# KiCad board q2v2.kicad_pcb (continued)
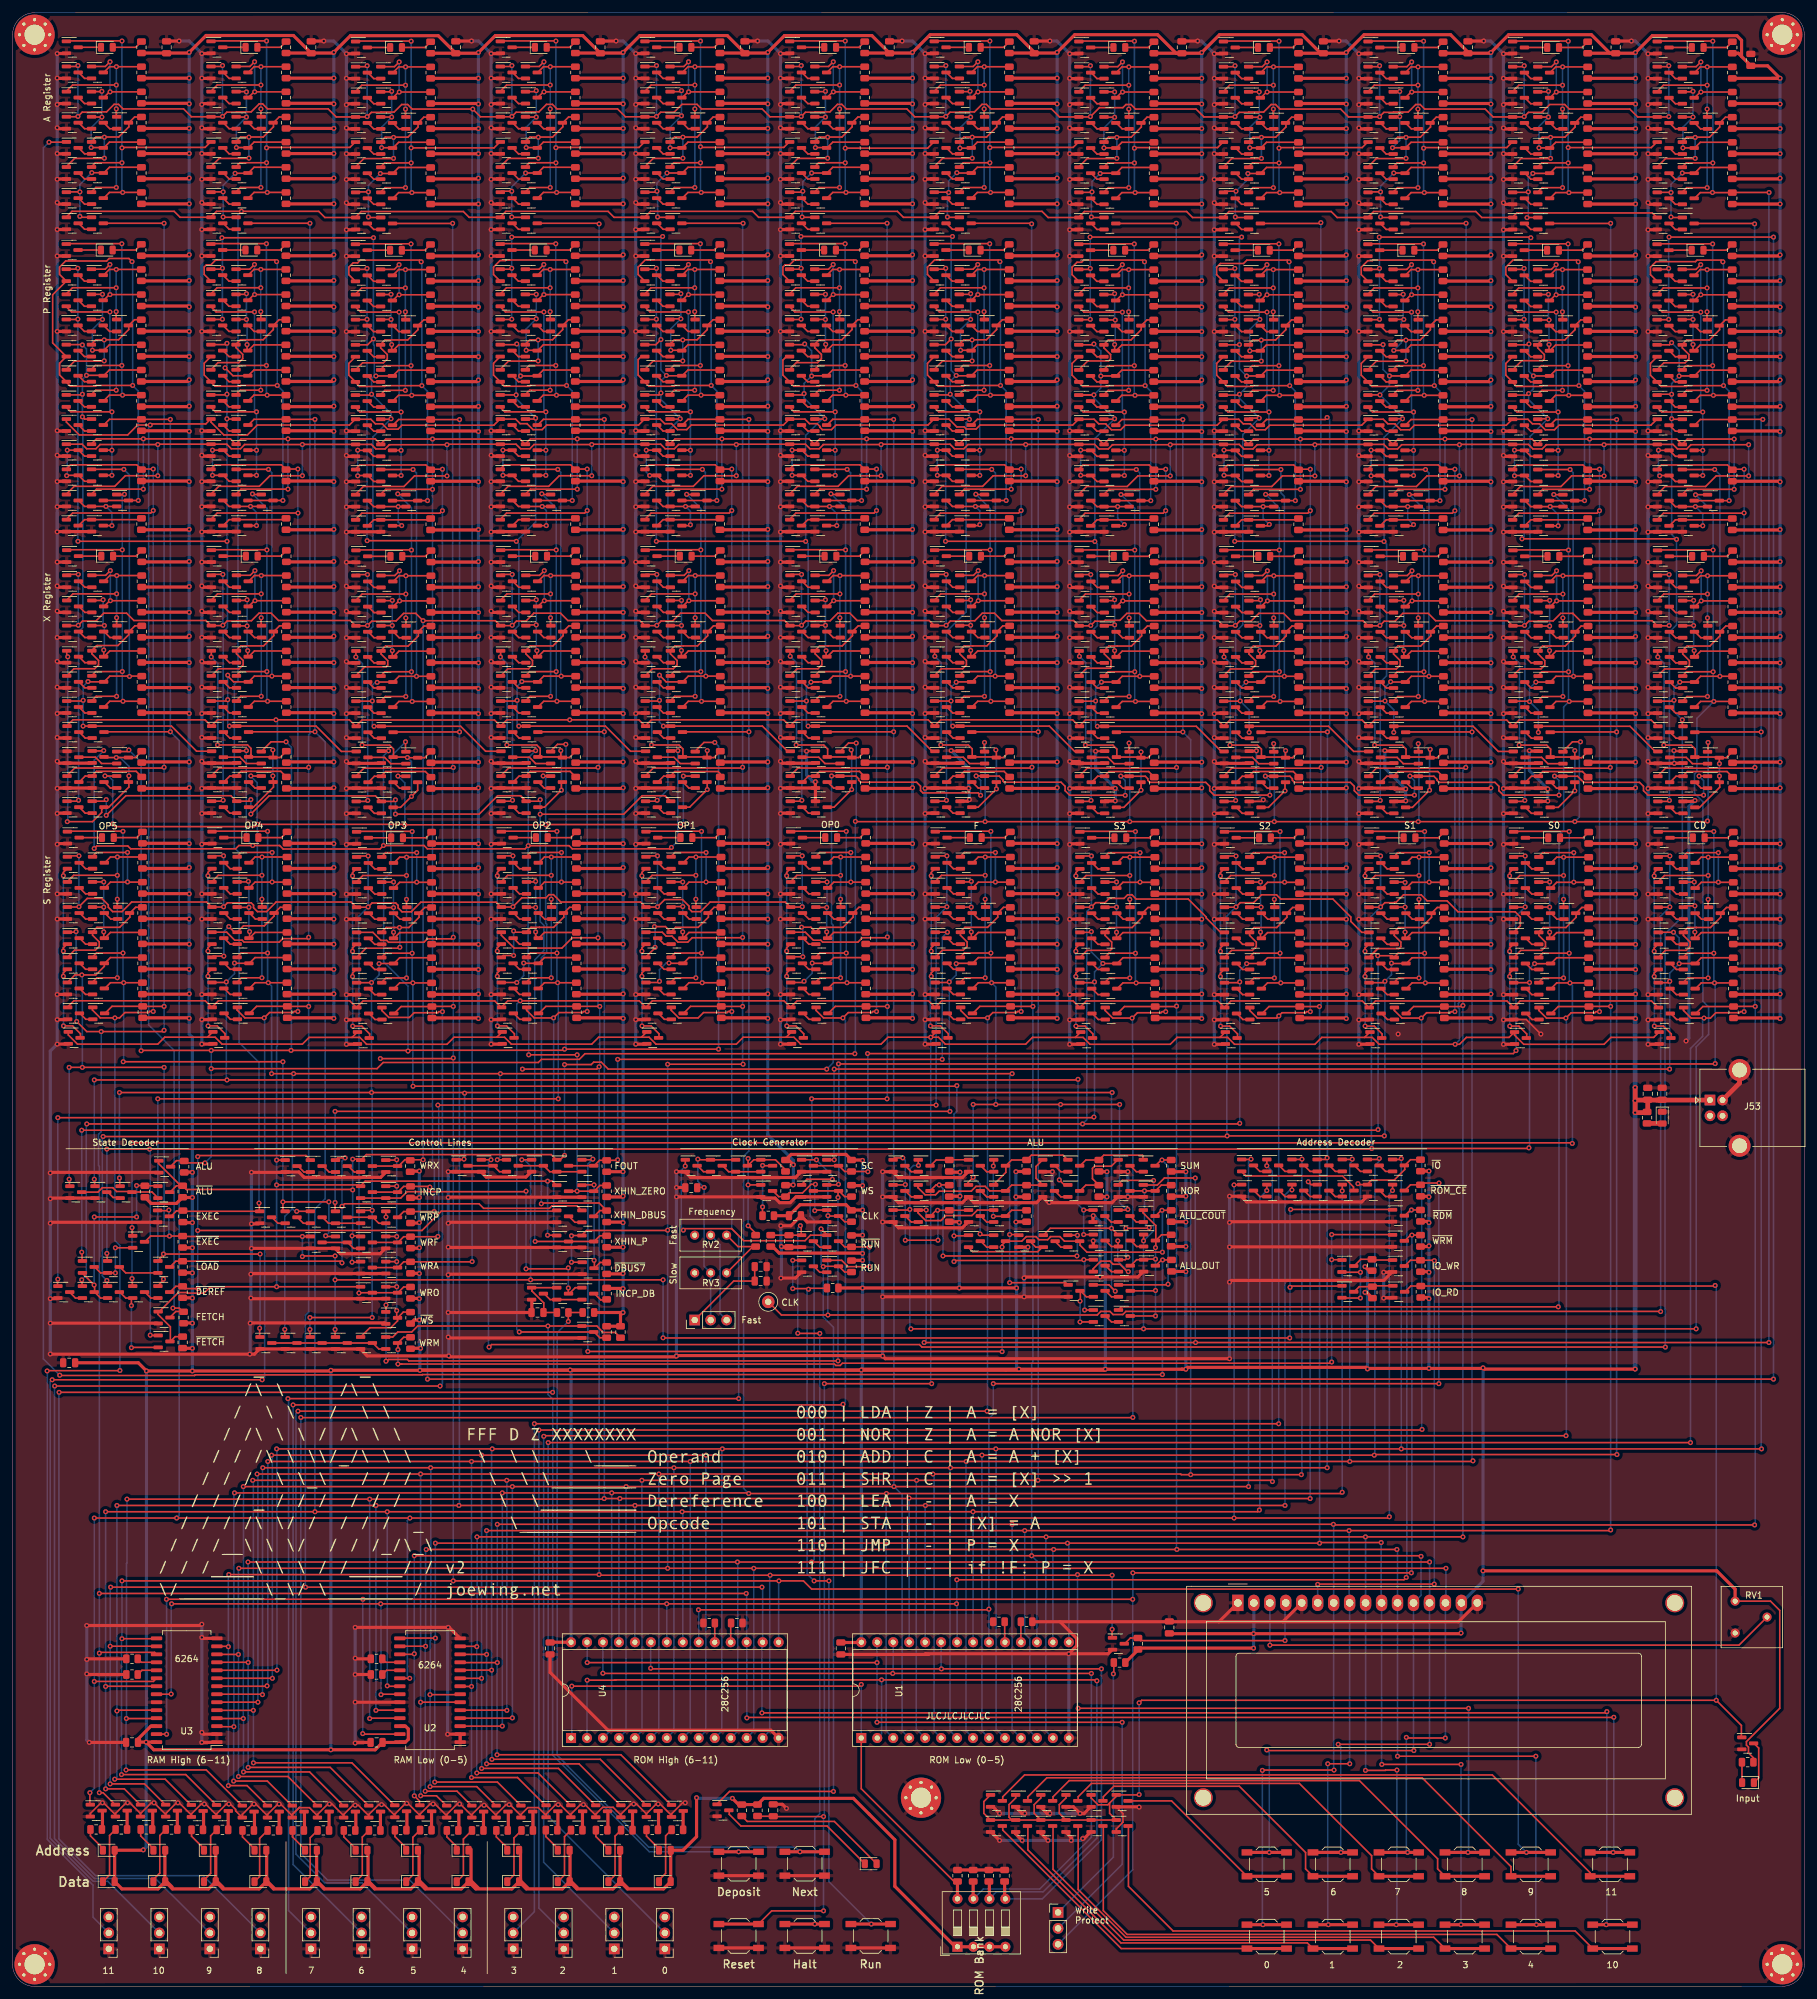
[diagram p0: board, top side]
## Routing (per net, layer and track width the routed paths; a pad name or vN(x,y) marks a point on that pad's centre or on a via; arc(x,y) is an arc through that point) (continued)
  Bottom w0.75: v1(258.1,98.23) v1(258.1,139.03) v1(258.1,140.93) v1(258.1,143.03) 258.1,153.95 v1(258.15,154)
/ALU/ALU_NOR: length 23.3
  Top w0.25: v1(177.1,120.63) 180.7,120.63 v1(180.8,120.73) ; v1(177.4,116.03) 177,115.63 Q271.1 ; R122.2 182.71,127.49 181.8,126.58 v1(180.05,126.58) 177.8,126.58
  Bottom w0.25: v1(177.1,120.63) 177.1,116.23 177.2,116.23 v1(177.4,116.03) ; 180,126.53 v1(180.05,126.58) 180.05,121.48 v1(180.8,120.73)
/ALU/ALU_SUM: length 31
  Top w0.25: 181.8,130.58 182.71,131.49 v1(182.84,131.49) R117.2 ; 175.85,111.63 183.7,111.63 v1(183.8,111.73)
  Bottom w0.25: v1(183.8,111.73) 183.8,130.53 v1(182.84,131.49)
/ALU/~{ALU_OUT}: length 33.1
  Top w0.25: 177.85,106.68 v1(181.8,106.68) ; v1(181.8,117.55) 181.85,117.6 181.85,118.68 ; 179.8,123.14 179.8,123.53 ; v1(181.8,110.73) 181.75,110.68 177.85,110.68 ; v1(181.8,115.73) 179.95,115.73 ; 181.85,118.68 182.76,119.59 R121.2 ; 181.85,118.68 181.85,121.09 ; Q263.1 179.86,123.04 181.85,121.05 ; 177.85,114.68 178.8,115.63 179.85,115.63
  Bottom w0.25: v1(181.8,117.55) v1(181.8,115.73) v1(181.8,110.73) v1(181.8,106.68)
/Bit 0/A Register/A DFF/~{Q}: length 20
  Top w0.25: R434.2 268.46,289.41 267.55,288.5 ; Q1037.1 263.82,285.45 ; v1(263.8,281.53) 263.88,281.45 Q1033.1 ; v1(265.6,288.53) 267.46,288.53
  Bottom w0.25: v1(263.8,281.53) 263.8,286.73 v1(265.6,288.53)
  vias: v1(263.8,285.43)
/Bit 0/AIN: length 59
  Top w0.25: v1(247.45,309.5) 247.42,309.52 238.63,309.52 ; v1(247.45,290.13) 243.24,290.13 242.55,289.45 ; 244.55,284.5 245.46,285.41 v1(247.56,285.41) R397.2 ; v1(247.45,292.58) 247.46,292.57 260.67,292.57 261.55,293.45
  Bottom w0.25: v1(247.56,285.41) 247.45,285.52 v1(247.45,290.13) v1(247.45,292.58) v1(247.45,309.5)
/Bit 0/P Register/P DFF/CLR: length 74.6
  Top w0.25: v1(273.05,236.4) 267.55,236.4 ; 261.53,255.29 262.26,254.57 266.24,254.57 266.37,254.7 v1(272.15,254.7) ; Q1097.2 260.53,258.23 260.53,256.35 Q1091.2 ; Q1092.2 260.53,272.35 260.53,273.54 261.42,274.43 267.7,274.43 267.94,274.67 271.78,274.67 v1(272.05,274.4)
  Bottom w0.25: v1(272.05,274.4) 272.15,274.3 v1(272.15,254.7) 273.05,253.8 v1(273.05,236.4)
/Bit 0/P Register/P DFF/Q: length 44.5
  Top w0.25: 261.61,277.27 270.4,277.27 v1(270.43,277.24) ; 267.53,252.24 268.44,253.15 v1(270.54,253.15) R449.2 ; 265.53,257.19 266.22,257.88 v1(270.43,257.88)
  Bottom w0.25: v1(270.43,277.24) v1(270.43,257.88) 270.43,253.27 v1(270.54,253.15)
/Bit 0/P Register/P DFF/SET: length 43.7
  Top w0.25: v1(268.53,266.39) 262.43,266.39 261.53,267.29 ; 261.53,251.29 262.32,250.5 v1(268.85,250.5) ; 267.55,240.4 v1(268.85,240.4) ; v1(268.85,244.4) 267.55,244.4
  Bottom w0.25: v1(268.53,266.39) 268.53,250.81 v1(268.85,250.5) v1(268.85,244.4) v1(268.85,240.4)
/Bit 0/S Register/State FF/CLR: length 31.8
  Top w0.25: v1(261.13,160.69) 261.13,161.22 261.71,161.81 ; 261.71,165.81 261.13,165.22 v1(261.13,164.69) ; v1(261.15,152.8) 262.6,152.8 263.85,151.55 263.85,150.9 ; v1(261.13,176.69) 261.13,177.22 261.71,177.81
  Bottom w0.25: v1(261.15,152.8) 261.15,160.67 v1(261.13,160.69) v1(261.13,164.69) v1(261.13,176.69)
/Bit 0/X Register/X DFF/D: length 38.2
  Top w0.25: R438.2 272.59,195.5 271.55,195.5 ; 267.65,195.6 267.65,196.87 267.02,197.5 v1(262.65,197.5) ; 267.65,187.6 268.35,187.6 271.55,190.8 271.55,191.6 ; v1(271.5,194.55) 271.49,194.56 Q1052.3 ; v1(261.7,211.53) 261.66,211.56 Q1072.1 ; Q1053.3 271.39,195.6 ; v1(271.5,192.57) 271.5,191.61
  Bottom w0.25: v1(262.65,197.5) 262.7,197.55 262.7,210.53 v1(261.7,211.53) ; v1(271.5,194.55) v1(271.5,192.57)
/Bit 0/~{P}: length 163.6
  Top w0.25: 267.53,256.24 268.44,257.15 R452.2 ; 261.65,188.55 263.4,188.55 v1(263.55,188.7) ; 238.53,265.19 240.38,265.19 v1(240.43,265.24) ; v1(263.9,261.53) 263.56,261.19 Q1097.1 ; v1(264.68,230.24) 264.6,230.33 v1(240.1,230.33) ; Q1073.1 263.98,249.35 v1(263.9,249.43) ; v1(263.9,253.33) 261.73,253.33 ; 238.53,273.19 240.28,273.19 v1(240.43,273.34) ; v1(265.1,256.23) 265.12,256.24 Q1089.3
  Bottom w0.25: 264.15,261.53 v1(263.9,261.53) 265.1,260.33 v1(265.1,256.23) 263.9,255.03 v1(263.9,249.43) 263.9,231.03 v1(264.68,230.24) 264.68,216.65 263.55,215.51 v1(263.55,188.7) ; 240.4,273.37 v1(240.43,273.34) v1(240.43,265.24) 240.43,230.66 v1(240.1,230.33)
/Bit 0/~{XIN}: length 79.8
  Top w0.25: 244.6,207.54 245.51,208.45 v1(248.3,208.45) R409.2 ; 242.55,241.35 v1(247.75,241.35) ; v1(242.7,199.53) 242.71,199.54 Q967.1 ; Q978.1 241.24,204.49 v1(241.3,204.43) ; v1(242.3,207.53) 244.53,207.53 ; 242.65,200.5 257.28,200.5 261.28,196.5
  Bottom w0.25: v1(248.3,208.45) 248.23,208.52 248.23,240.87 v1(247.75,241.35) ; v1(242.7,199.53) 242.7,203.03 v1(241.3,204.43) 241.3,206.53 v1(242.3,207.53)
/Bit 1/A Register/A DFF/~{Q}: length 20.7
  Top w0.25: R400.2 245.46,289.41 244.55,288.5 ; Q950.1 240.92,281.45 v1(240.9,281.43) ; v1(241.1,285.53) 241.02,285.45 Q954.1 ; v1(241.82,288.46) 244.45,288.46
  Bottom w0.25: v1(241.82,288.46) 241.1,287.73 v1(241.1,285.53) 241.1,281.75 240.9,281.55 v1(240.9,281.43)
/Bit 1/AIN: length 59
  Top w0.25: v1(224.45,290.13) 220.24,290.13 219.55,289.45 ; R363.2 v1(224.56,285.41) 222.46,285.41 221.55,284.5 ; v1(224.45,309.5) 224.42,309.52 215.63,309.52 ; v1(224.45,292.48) 224.54,292.57 237.67,292.57 238.55,293.45
  Bottom w0.25: v1(224.56,285.41) 224.45,285.52 v1(224.45,290.13) v1(224.45,292.48) v1(224.45,309.5)
/Bit 1/P Register/P DFF/CLR: length 74.6
  Top w0.25: v1(249.15,254.7) 243.37,254.7 243.24,254.57 239.26,254.57 238.53,255.29 ; v1(250.05,236.4) 244.55,236.4 ; v1(249.05,274.4) 248.78,274.67 239.38,274.67 238.66,274.67 237.53,273.54 237.53,272.35 Q1009.2 ; Q1008.2 237.53,256.35 237.53,258.23 Q1014.2
  Bottom w0.25: v1(250.05,236.4) 250.05,253.8 v1(249.15,254.7) 249.15,274.3 v1(249.05,274.4)
/Bit 1/P Register/P DFF/Q: length 44.5
  Top w0.25: R415.2 v1(247.54,253.15) 245.44,253.15 244.53,252.24 ; 242.53,257.19 243.22,257.88 v1(247.43,257.88) ; 238.61,277.27 247.4,277.27 v1(247.43,277.24)
  Bottom w0.25: v1(247.54,253.15) 247.43,253.27 v1(247.43,257.88) v1(247.43,277.24)
/Bit 1/P Register/P DFF/SET: length 43.7
  Top w0.25: 238.53,267.29 239.43,266.39 v1(245.53,266.39) ; 238.53,251.29 239.32,250.5 v1(245.85,250.5) ; 244.55,240.4 v1(245.85,240.4) ; v1(245.85,244.4) 244.55,244.4
  Bottom w0.25: v1(245.53,266.39) 245.53,250.81 v1(245.85,250.5) v1(245.85,244.4) v1(245.85,240.4)
/Bit 1/S Register/State FF/CLR: length 31.8
  Top w0.25: 238.71,161.81 238.13,161.22 v1(238.13,160.69) ; v1(238.13,176.69) 238.13,177.22 238.71,177.81 ; v1(238.13,164.69) 238.13,165.22 238.71,165.81 ; v1(238.15,152.8) 239.6,152.8 240.85,151.55 240.85,150.9
  Bottom w0.25: v1(238.15,152.8) 238.15,160.67 v1(238.13,160.69) v1(238.13,164.69) v1(238.13,176.69)
/Bit 1/X Register/X DFF/D: length 42.1
  Top w0.25: 248.45,195.6 244.65,195.6 244.65,196.87 244.02,197.5 v1(239.65,197.5) ; 248.55,195.5 249.59,195.5 R404.2 ; 248.5,191.58 v1(248.5,190.23) 245.87,187.6 Q968.3 ; Q989.1 238.66,211.56 v1(238.7,211.53) ; Q969.3 248.49,196.61 v1(248.5,196.63)
  Bottom w0.25: v1(239.65,197.5) 239.7,197.55 239.7,210.53 v1(238.7,211.53) ; v1(248.5,196.63) v1(248.5,190.23)
/Bit 1/~{P}: length 152
  Top w0.25: 238.65,188.55 240.4,188.55 v1(240.55,188.7) ; R418.2 245.44,257.15 244.53,256.24 ; 215.53,265.19 217.38,265.19 v1(217.43,265.24) ; v1(217.43,273.34) 217.28,273.19 215.53,273.19 ; v1(241.2,261.33) 241.06,261.19 Q1014.1 ; v1(244.2,249.43) 242.69,249.43 ; v1(241.15,253.43) 240.92,253.19 Q1003.1 ; 241.81,256.23 241.82,256.24 v1(241.92,256.24) Q1006.3 ; v1(241.5,278.23) 241.4,278.33 v1(217.4,278.33)
  Bottom w0.25: v1(217.43,265.24) v1(217.43,273.34) 217.43,278.3 v1(217.4,278.33) ; v1(240.55,188.7) 240.55,215.51 241.38,216.34 241.38,246.6 v1(244.2,249.43) 241.15,252.47 v1(241.15,253.43) 241.92,254.19 v1(241.92,256.24) 241.2,256.96 v1(241.2,261.33) 241.2,277.93 v1(241.5,278.23)
/Bit 1/~{XIN}: length 80.5
  Top w0.25: R375.2 v1(225.3,208.45) 222.51,208.45 221.6,207.54 ; 219.55,241.35 v1(224.75,241.35) ; 219.65,200.5 232.32,200.5 236.32,196.5 238.65,196.5 ; Q895.1 218.26,204.49 v1(218.3,204.53) ; v1(219.7,199.53) 219.71,199.54 Q884.1 ; Q898.3 219.26,207.54 v1(219.21,207.59)
  Bottom w0.25: 225.23,208.52 v1(225.3,208.45) 225.3,240.8 v1(224.75,241.35) ; v1(219.21,207.59) 218.3,206.68 v1(218.3,204.53) 219.7,203.13 v1(219.7,199.53)
/Bit 2/A Register/A DFF/~{Q}: length 20
  Top w0.25: 221.55,288.5 222.46,289.41 R366.2 ; Q867.1 217.68,281.45 v1(217.6,281.53) ; v1(217.6,285.53) 215.69,285.53 ; v1(219.7,288.53) 221.46,288.53
  Bottom w0.25: v1(219.7,288.53) 217.6,286.43 v1(217.6,285.53) v1(217.6,281.53)
/Bit 2/AIN: length 59
  Top w0.25: R329.2 v1(201.56,285.41) 199.46,285.41 198.55,284.5 ; v1(201.45,290.13) 197.24,290.13 196.55,289.45 ; 192.63,309.52 201.42,309.52 v1(201.45,309.5) ; v1(201.45,292.48) 201.54,292.57 214.67,292.57 215.55,293.45
  Bottom w0.25: v1(201.56,285.41) 201.45,285.52 v1(201.45,290.13) v1(201.45,292.48) v1(201.45,309.5)
/Bit 2/P Register/P DFF/CLR: length 74.6
  Top w0.25: v1(226.15,254.7) 220.37,254.7 220.24,254.57 216.26,254.57 215.53,255.29 ; 221.55,236.4 v1(227.05,236.4) ; v1(226.05,274.4) 225.78,274.67 216.38,274.67 216.28,274.57 215.56,274.57 214.53,273.54 214.53,272.35 Q926.2 ; Q931.2 214.53,258.23 214.53,256.35 Q925.2
  Bottom w0.25: v1(227.05,236.4) 227.05,253.8 v1(226.15,254.7) 226.15,274.3 v1(226.05,274.4)
/Bit 2/P Register/P DFF/Q: length 44.5
  Top w0.25: v1(224.43,257.88) 220.22,257.88 219.53,257.19 ; R381.2 v1(224.54,253.15) 222.44,253.15 221.53,252.24 ; 215.61,277.27 224.4,277.27 v1(224.43,277.24)
  Bottom w0.25: v1(224.54,253.15) 224.43,253.27 v1(224.43,257.88) v1(224.43,277.24)
/Bit 2/P Register/P DFF/SET: length 43.7
  Top w0.25: 221.55,240.4 v1(222.85,240.4) ; v1(222.85,244.4) 221.55,244.4 ; v1(222.85,250.5) 216.32,250.5 215.53,251.29 ; 215.53,267.29 216.43,266.39 v1(222.53,266.39)
  Bottom w0.25: v1(222.85,240.4) v1(222.85,244.4) v1(222.85,250.5) 222.53,250.81 v1(222.53,266.39)
/Bit 2/S Register/State FF/CLR: length 31.8
  Top w0.25: v1(215.13,160.69) 215.13,161.22 215.71,161.81 ; v1(215.15,152.8) 216.6,152.8 217.85,151.55 217.85,150.9 ; v1(215.13,164.69) 215.13,165.22 215.71,165.81 ; v1(215.13,176.69) 215.13,177.22 215.71,177.81
  Bottom w0.25: v1(215.15,152.8) 215.15,160.67 v1(215.13,160.69) v1(215.13,164.69) v1(215.13,176.69)
/Bit 2/X Register/X DFF/D: length 42.2
  Top w0.25: v1(216.65,197.5) 221.02,197.5 221.65,196.87 221.65,195.6 225.45,195.6 ; R370.2 226.59,195.5 225.55,195.5 ; Q886.3 225.49,196.81 v1(225.5,196.83) ; Q885.3 222.67,187.6 v1(225.4,190.33) 225.4,191.51 ; v1(215.7,211.53) 215.66,211.56 Q906.1
  Bottom w0.25: v1(216.65,197.5) 216.7,197.55 216.7,210.53 v1(215.7,211.53) ; v1(225.4,190.33) 225.4,196.73 v1(225.5,196.83)
/Bit 2/XOUT: length 55.7
  Top w0.25: 215.68,228.56 224.47,228.56 v1(224.5,228.54) ; 221.6,203.54 222.51,204.45 v1(224.61,204.45) R372.2 ; 219.6,208.49 220.29,209.17 v1(224.5,209.17) ; v1(222.17,237.37) 222.2,237.35 223.55,237.35
  Bottom w0.25: v1(224.61,204.45) 224.5,204.56 v1(224.5,209.17) v1(224.5,228.54) 224.5,235.08 224.47,235.08 v1(222.17,237.37)
/Bit 2/~{P}: length 164.6
  Top w0.25: v1(217.55,188.7) 217.4,188.55 215.65,188.55 ; 221.53,256.24 222.44,257.15 R384.2 ; v1(194.43,265.24) 194.38,265.19 192.53,265.19 ; 218.82,256.24 v1(219.01,256.24) Q923.3 ; v1(218,261.23) 217.96,261.19 Q931.1 ; v1(194.43,273.34) 194.28,273.19 192.53,273.19 ; v1(194.4,229.93) 218.12,229.93 v1(218.15,229.9) ; v1(221.1,249.43) 219.69,249.43 ; v1(217.5,253.23) 215.63,253.23
  Bottom w0.25: v1(194.43,273.34) v1(194.43,265.24) 194.43,229.96 v1(194.4,229.93) ; v1(218,261.23) 218,257.26 v1(219.01,256.24) 219.01,254.74 v1(217.5,253.23) 221.1,249.63 v1(221.1,249.43) 218.15,246.48 v1(218.15,229.9) 218.55,229.5 218.55,208.51 217.55,207.51 v1(217.55,188.7)
/Bit 2/~{XIN}: length 80.4
  Top w0.25: 196.55,241.35 v1(201.75,241.35) ; R341.2 v1(202.3,208.45) 199.51,208.45 198.6,207.54 ; 215.65,196.5 213.32,196.5 209.32,200.5 196.65,200.5 ; Q801.1 196.71,199.54 v1(196.7,199.53) ; Q812.1 195.24,204.49 v1(195.28,204.53) ; Q815.3 196.21,207.54 v1(196.2,207.53)
  Bottom w0.25: 202.23,208.52 v1(202.3,208.45) 202.3,237.07 201.75,237.62 v1(201.75,241.35) ; v1(196.7,199.53) 196.7,203.1 v1(195.28,204.53) 195.28,206.6 v1(196.2,207.53)
/Bit 3/A Register/A DFF/~{Q}: length 20.3
  Top w0.25: 198.55,288.5 199.46,289.41 R332.2 ; v1(196.5,288.45) 198.44,288.45 ; v1(194.6,285.63) 192.79,285.63 Q788.1 ; v1(194.5,281.53) 194.58,281.45 Q784.1
  Bottom w0.25: v1(194.5,281.53) 194.5,285.53 v1(194.6,285.63) 196.5,287.53 v1(196.5,288.45)
/Bit 3/AIN: length 59
  Top w0.25: 173.55,289.45 174.24,290.13 v1(178.45,290.13) ; v1(178.45,309.5) 178.42,309.52 169.63,309.52 ; 175.55,284.5 176.46,285.41 v1(178.56,285.41) R295.2 ; 192.55,293.45 191.67,292.57 178.54,292.57 v1(178.45,292.48)
  Bottom w0.25: v1(178.56,285.41) 178.45,285.52 v1(178.45,290.13) v1(178.45,292.48) v1(178.45,309.5)
/Bit 3/P Register/P DFF/CLR: length 74.6
  Top w0.25: 192.53,255.29 193.26,254.57 197.24,254.57 197.37,254.7 v1(203.15,254.7) ; 198.55,236.4 v1(204.05,236.4) ; Q842.2 191.53,256.35 191.53,258.23 Q848.2 ; v1(203.05,274.4) 202.78,274.67 196.34,274.67 195.8,274.13 192.12,274.13 191.53,273.54 191.53,272.35 Q843.2
  Bottom w0.25: v1(204.05,236.4) 204.05,253.8 v1(203.15,254.7) 203.15,274.3 v1(203.05,274.4)
/Bit 3/P Register/P DFF/Q: length 44.5
  Top w0.25: 192.61,277.27 201.4,277.27 v1(201.43,277.24) ; R347.2 v1(201.54,253.15) 199.44,253.15 198.53,252.24 ; v1(201.43,257.88) 197.22,257.88 196.53,257.19
  Bottom w0.25: v1(201.43,277.24) v1(201.43,257.88) 201.43,253.27 v1(201.54,253.15)
/Bit 3/P Register/P DFF/SET: length 43.7
  Top w0.25: 192.53,267.29 193.43,266.39 v1(199.53,266.39) ; v1(199.85,250.5) 193.32,250.5 192.53,251.29 ; v1(199.85,244.4) 198.55,244.4 ; 198.55,240.4 v1(199.85,240.4)
  Bottom w0.25: v1(199.53,266.39) 199.53,250.81 v1(199.85,250.5) v1(199.85,244.4) v1(199.85,240.4)
/Bit 3/S Register/State FF/CLR: length 31.8
  Top w0.25: v1(192.13,164.69) 192.13,165.22 192.71,165.81 ; v1(192.13,160.69) 192.13,161.22 192.71,161.81 ; 194.85,150.9 194.85,151.55 193.6,152.8 v1(192.15,152.8) ; 192.71,177.81 192.13,177.22 v1(192.13,176.69)
  Bottom w0.25: v1(192.13,176.69) v1(192.13,164.69) v1(192.13,160.69) 192.15,160.67 v1(192.15,152.8)
/Bit 3/SOUT: length 44.5
  Top w0.25: R354.2 v1(201.72,159.67) 199.62,159.67 198.71,158.76 ; 196.71,163.71 197.4,164.39 v1(201.61,164.39) ; 192.79,183.78 201.58,183.78 v1(201.61,183.76)
  Bottom w0.25: v1(201.72,159.67) 201.61,159.78 v1(201.61,164.39) v1(201.61,183.76)
/Bit 3/X Register/X DFF/D: length 41.9
  Top w0.25: 202.55,195.5 203.59,195.5 R336.2 ; 202.45,195.6 198.65,195.6 198.65,196.87 198.02,197.5 v1(193.65,197.5) ; Q823.1 192.66,211.56 v1(192.7,211.53) ; 198.65,187.6 199.77,187.6 v1(202.4,190.23) 202.4,191.51 ; v1(202.5,196.63) 202.49,196.61 Q803.3
  Bottom w0.25: v1(193.65,197.5) 193.7,197.55 193.7,210.53 v1(192.7,211.53) ; v1(202.5,196.63) 202.4,196.53 v1(202.4,190.23)
/Bit 3/XOUT: length 55.5
  Top w0.25: v1(201.5,209.17) 197.29,209.17 196.6,208.49 ; 198.6,203.54 199.51,204.45 v1(201.61,204.45) R338.2 ; v1(201.5,228.54) 201.47,228.56 192.68,228.56 ; v1(199.32,237.4) 199.37,237.35 200.55,237.35
  Bottom w0.25: v1(201.61,204.45) 201.5,204.56 v1(201.5,209.17) v1(201.5,228.54) 201.5,235.22 v1(199.32,237.4)
/Bit 3/~{P}: length 152.1
  Top w0.25: v1(194.55,188.7) 194.4,188.55 192.65,188.55 ; 198.53,256.24 199.44,257.15 R350.2 ; 169.53,265.19 171.38,265.19 v1(171.43,265.24) ; v1(198.3,249.53) 196.79,249.53 Q824.1 ; Q837.1 195.02,253.19 v1(195.16,253.33) ; 169.53,273.19 171.28,273.19 v1(171.43,273.34) ; Q840.3 196.31,256.24 v1(196.3,256.23) ; Q848.1 195.12,261.19 v1(195.16,261.23) ; v1(171.4,278.33) v1(195.5,278.33)
  Bottom w0.25: v1(194.55,188.7) 194.55,215.51 195.68,216.65 195.68,246.91 v1(198.3,249.53) 195.16,252.67 v1(195.16,253.33) 196.3,254.47 v1(196.3,256.23) 195.16,257.37 v1(195.16,261.23) 195.16,277.98 v1(195.5,278.33) ; v1(171.43,265.24) v1(171.43,273.34) 171.43,278.3 v1(171.4,278.33)
/Bit 3/~{XIN}: length 78.7
  Top w0.25: v1(172.55,200.5) 188.28,200.5 192.28,196.5 ; 173.55,241.35 v1(178.75,241.35) ; R307.2 v1(179.3,208.45) 176.51,208.45 175.6,207.54 ; Q732.3 173.21,207.54 v1(173.2,207.53) ; v1(172.28,204.53) 172.24,204.49 Q729.1
  Bottom w0.25: 179.23,208.52 v1(179.3,208.45) 179.3,240.8 v1(178.75,241.35) ; v1(173.2,207.53) 172.28,206.6 v1(172.28,204.53) 172.28,200.77 v1(172.55,200.5)
/Bit 4/A Register/A DFF/~{Q}: length 20.6
  Top w0.25: 175.55,288.5 176.46,289.41 R298.2 ; Q708.3 173.05,288.5 v1(173,288.44) ; v1(171.7,285.53) 171.62,285.45 Q705.1 ; Q701.1 171.68,281.45 v1(171.6,281.53)
  Bottom w0.25: v1(171.6,281.53) 171.6,285.43 v1(171.7,285.53) 171.7,287.15 v1(173,288.44)
/Bit 4/AIN: length 59
  Top w0.25: 150.55,289.47 151.24,290.16 v1(155.45,290.16) ; 146.63,309.55 155.42,309.55 v1(155.45,309.52) ; R261.2 v1(155.56,285.43) 153.46,285.43 152.55,284.52 ; 169.55,293.45 168.7,292.6 155.47,292.6 v1(155.45,292.58)
  Bottom w0.25: v1(155.56,285.43) 155.45,285.55 v1(155.45,290.16) v1(155.45,292.58) v1(155.45,309.52)
/Bit 4/P Register/P DFF/CLR: length 74.6
  Top w0.25: 169.53,255.29 170.26,254.57 174.24,254.57 174.37,254.7 v1(180.15,254.7) ; v1(181.05,236.4) 175.55,236.4 ; v1(180.05,274.4) 179.78,274.67 170.38,274.67 170.04,274.33 169.32,274.33 168.53,273.54 168.53,272.35 Q760.2 ; Q765.2 168.53,258.23 168.53,256.35 Q759.2
  Bottom w0.25: v1(180.05,274.4) 180.15,274.3 v1(180.15,254.7) 181.05,253.8 v1(181.05,236.4)
/Bit 4/P Register/P DFF/Q: length 44.5
  Top w0.25: 173.53,257.19 174.22,257.88 v1(178.43,257.88) ; 169.61,277.27 178.4,277.27 v1(178.43,277.24) ; 175.53,252.24 176.44,253.15 v1(178.54,253.15) R313.2
  Bottom w0.25: v1(178.43,277.24) v1(178.43,257.88) 178.43,253.27 v1(178.54,253.15)
/Bit 4/P Register/P DFF/SET: length 43.7
  Top w0.25: 175.55,240.4 v1(176.85,240.4) ; v1(176.53,266.39) 170.43,266.39 169.53,267.29 ; v1(176.85,244.4) 175.55,244.4 ; v1(176.85,250.5) 170.32,250.5 169.53,251.29
  Bottom w0.25: v1(176.85,240.4) v1(176.85,244.4) v1(176.85,250.5) 176.53,250.81 v1(176.53,266.39)
/Bit 4/S Register/State FF/CLR: length 31.8
  Top w0.25: 169.71,165.81 169.13,165.22 v1(169.13,164.69) ; 171.85,150.9 171.85,151.55 170.6,152.8 v1(169.15,152.8) ; v1(169.13,176.69) 169.13,177.22 169.71,177.81 ; 169.71,161.81 169.13,161.22 v1(169.13,160.69)
  Bottom w0.25: v1(169.13,176.69) v1(169.13,164.69) v1(169.13,160.69) 169.15,160.67 v1(169.15,152.8)
/Bit 4/SOUT: length 44.5
  Top w0.25: v1(178.61,164.39) 174.4,164.39 173.71,163.71 ; 169.79,183.78 178.58,183.78 v1(178.61,183.76) ; R320.2 v1(178.72,159.67) 176.62,159.67 175.71,158.76
  Bottom w0.25: v1(178.72,159.67) 178.61,159.78 v1(178.61,164.39) v1(178.61,183.76)
/Bit 4/X Register/X DFF/D: length 41.6
  Top w0.25: 179.55,195.5 180.59,195.5 R302.2 ; 179.45,195.6 175.65,195.6 175.65,196.87 175.02,197.5 v1(170.65,197.5) ; v1(169.7,211.63) 169.66,211.66 Q740.1 ; Q719.3 176.77,187.6 v1(179.5,190.33) 179.5,191.58 ; v1(179.5,196.43) 179.49,196.41 Q720.3
  Bottom w0.25: v1(170.65,197.5) 170.7,197.55 170.7,210.63 v1(169.7,211.63) ; v1(179.5,190.33) v1(179.5,196.43)
/Bit 4/XOUT: length 55.5
  Top w0.25: 173.6,208.49 174.29,209.17 v1(178.5,209.17) ; 175.6,203.54 176.51,204.45 v1(178.61,204.45) R304.2 ; 169.68,228.56 178.47,228.56 v1(178.5,228.54) ; 177.55,237.35 176.33,237.35 v1(176.31,237.37)
  Bottom w0.25: v1(178.61,204.45) 178.5,204.56 v1(178.5,209.17) v1(178.5,228.54) 178.5,235.18 v1(176.31,237.37)
/Bit 4/~{P}: length 166.3
  Top w0.25: v1(148.43,265.27) 148.38,265.22 146.53,265.22 ; 169.65,188.55 171.4,188.55 v1(171.55,188.7) ; 175.53,256.24 176.44,257.15 R316.2 ; v1(173.1,256.23) 173.12,256.24 Q757.3 ; Q741.1 175.22,249.35 v1(175.3,249.43) ; v1(148.43,273.37) 148.28,273.22 146.53,273.22 ; v1(172,261.33) 171.87,261.19 Q765.1 ; Q754.1 170.44,253.19 ; 170.44,253.19 170.47,253.23 v1(172,253.23) ; 170.44,253.19 171.56,253.19 ; v1(148.4,229.93) 172.12,229.93 v1(172.16,229.9)
  Bottom w0.25: v1(171.55,188.7) 171.55,215.51 172.55,216.52 172.55,229.5 v1(172.16,229.9) 172.16,246.28 v1(175.3,249.43) 172,252.73 v1(172,253.23) 173.1,254.33 v1(173.1,256.23) 173.1,260.23 v1(172,261.33) ; v1(148.43,273.37) v1(148.43,265.27) 148.43,229.96 v1(148.4,229.93)
/Bit 4/~{XIN}: length 79.1
  Top w0.25: R273.2 v1(156.3,208.47) 153.51,208.47 152.6,207.56 ; 150.55,241.37 155.75,241.37 ; v1(149.55,200.52) 164.93,200.52 168.95,196.5 169.65,196.5 ; v1(150.1,207.51) 150.15,207.56 Q649.3 ; Q646.1 149.26,204.51 v1(149.28,204.53)
  Bottom w0.25: 156.23,208.55 v1(156.3,208.47) 156.34,208.51 156.34,240.78 v1(155.75,241.37) ; v1(150.1,207.51) 149.28,206.69 v1(149.28,204.53) 149.28,200.8 v1(149.55,200.52)
/Bit 5/A Register/A DFF/~{Q}: length 20.8
  Top w0.25: R264.2 153.46,289.43 152.55,288.52 ; v1(150.21,288.57) 150.26,288.52 Q625.3 ; 146.61,285.47 148.85,285.47 v1(148.9,285.43) ; v1(148.7,281.53) 148.75,281.47 150.61,281.47
  Bottom w0.25: v1(148.7,281.53) 148.7,285.23 v1(148.9,285.43) ; v1(150.21,288.57) 148.9,287.26 v1(148.9,285.43) ; v1(148.9,285.43) 149.1,285.43
/Bit 5/AIN: length 59
  Top w0.25: R227.2 v1(132.56,285.43) 130.46,285.43 129.55,284.52 ; 127.55,289.47 128.24,290.16 v1(132.45,290.16) ; v1(132.45,309.52) 132.42,309.55 123.63,309.55 ; v1(132.45,292.48) 145.56,292.48 146.55,293.47
  Bottom w0.25: v1(132.56,285.43) 132.45,285.55 v1(132.45,290.16) v1(132.45,292.48) v1(132.45,309.52)
